# Altium PCB Main_PCB.PcbDoc (part 12 of 13)
Units mil, origin at the board's own origin, x right, y up, seen from the top; angles counter-clockwise.
Board outline 5200 x 6000 mil, 12 copper layers (Top (L1), Int1 (l2), Int2 (L3), Int3 (L4), Int4 (L5), Int5 (L6), Int6 (L7), Int7 (L8), Int8 (L9), Int9 (L10), Int10 (L11), Bot (L12)), stack 94.81 mil thick; 88 components, 424 nets, 1789 pads, 1684 vias.
Unrouted connection lines stored in the file: 914.
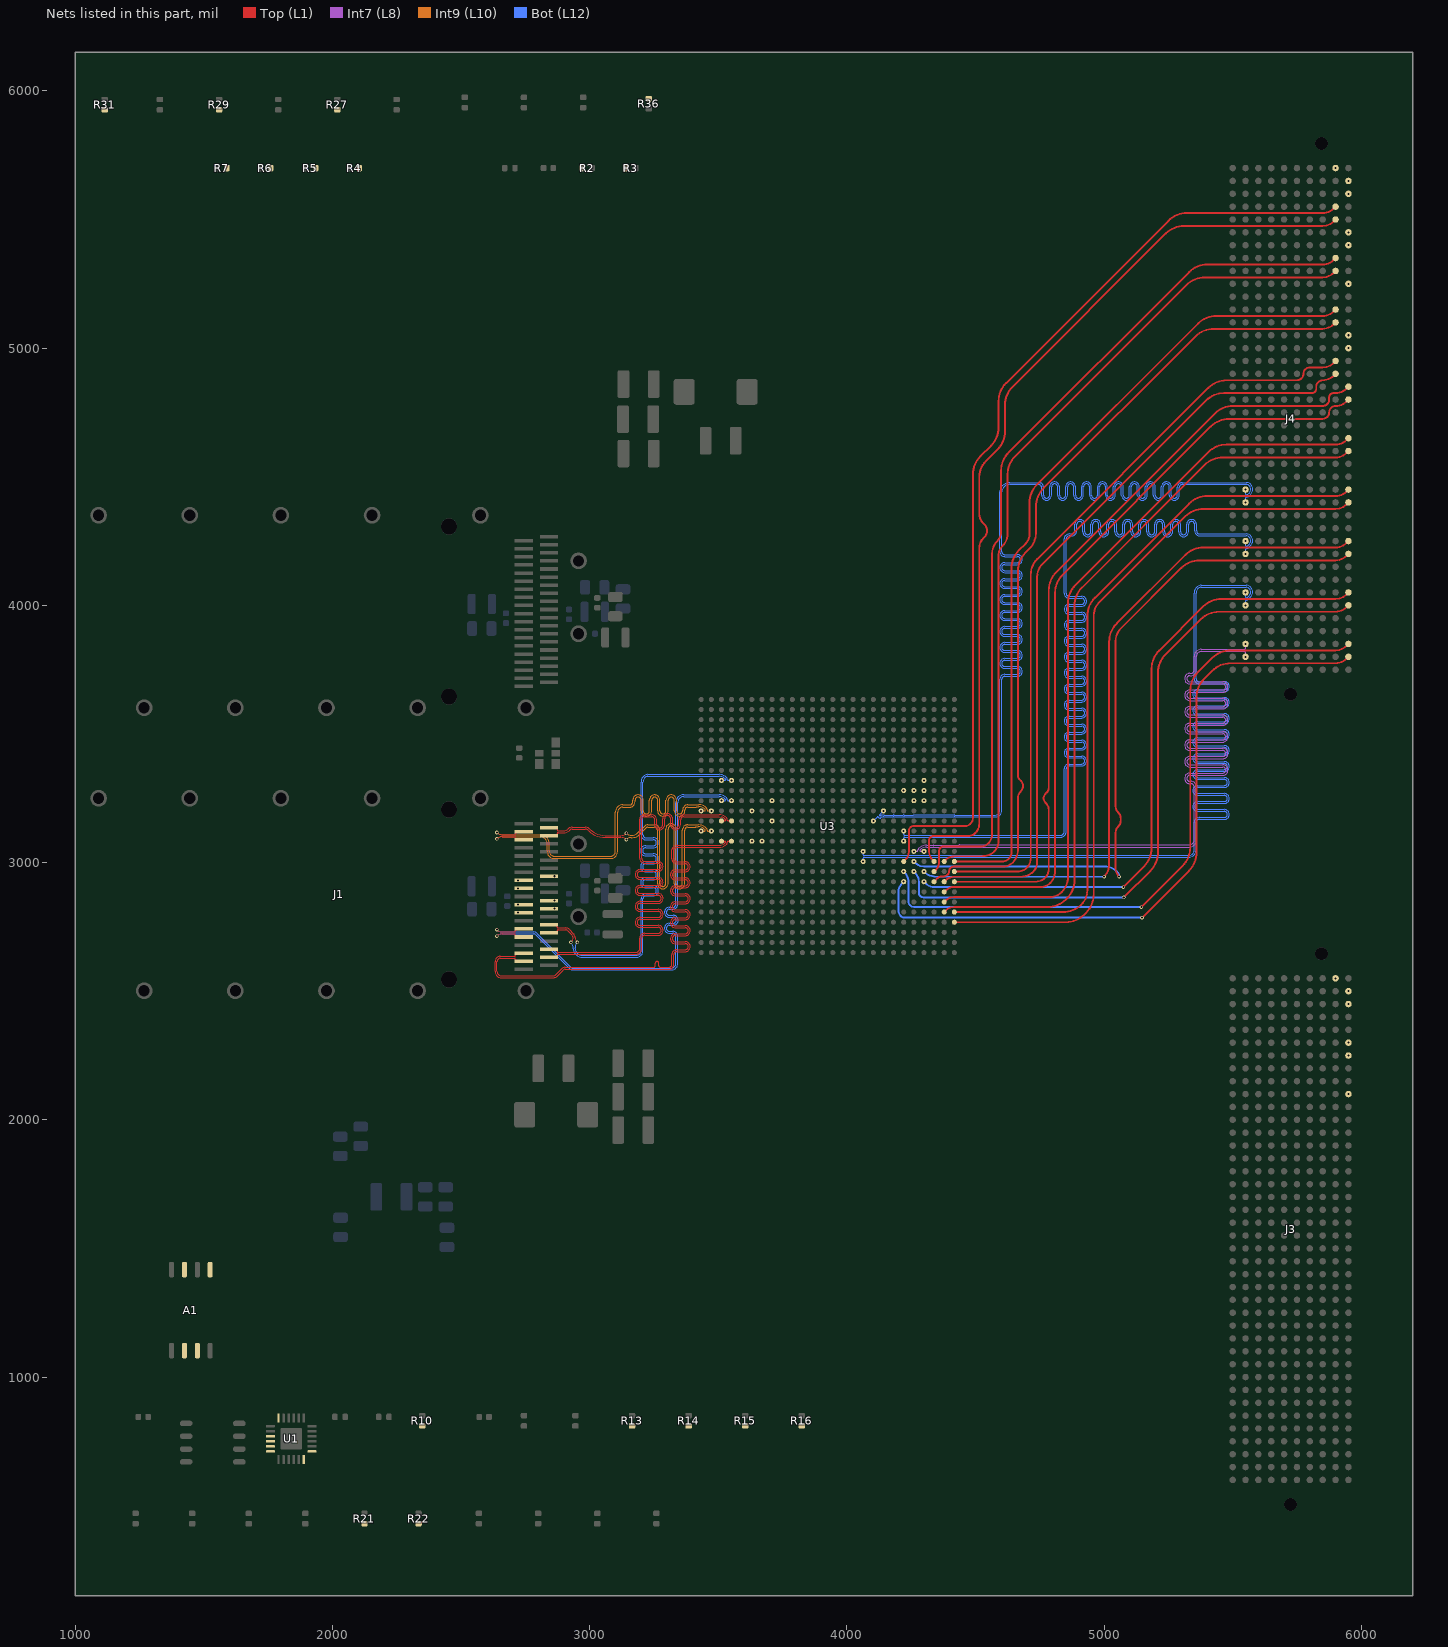
[diagram p22: the nets of this part, all layers, seen from the top]

## Via types
v1: diameter 13.78, hole 7.87, Top (L1) to Bot (L12), tented both sides, 1680 vias
v2: diameter 19.68, hole 7.87, Top (L1) to Bot (L12), tented both sides, 4 vias

## Nets (pads, with @x,y where several pads share a name; then routed paths per layer and width w, separated by ;. In a path a pad name is that pad's centre, name@x,y a point inside that pad or via, vN(x,y) a via of type N, cw(c..) or ccw(c..) an arc to the next point about the centre after c; other vN are vias at no path point) (continued)
HPCC_B_69_N: J4.J27 U3.M19 | length 4795.7
  Bot (L12) w3.5: v1(4142.52,3201.18) 4127.96,3186.62 ccw(c4130.44,3184.15) 4126.94,3184.15 ccw(c4130.18,3185.47) 4131.79,3182.37 cw(c4142.52,3161.81) 4144.6,3184.9 4144.67,3184.92 ccw(c4144.78,3188.42) 4144.77,3184.92 4147.85,3184.92 4179.87,3184.92 ccw(c4179.84,3188.42) 4180.09,3184.93 cw(c4181.89,3161.81) 4183.69,3184.93 ccw(c4183.94,3188.42) 4183.91,3184.92 4217,3184.92 4220.81,3184.99 cw(c4221.26,3161.81) 4223.04,3184.93 ccw(c4223.31,3188.42) 4223.31,3184.92 4258.61,3184.92 ccw(c4258.58,3188.42) 4258.83,3184.93 cw(c4260.63,3161.81) 4260.63,3185 4418.11,3185 cw(c4418.11,3161.81) 4419.88,3184.93 ccw(c4420.16,3188.42) 4420.13,3184.92 4577.73,3184.92 ccw(c4577.73,3202.27) 4590,3190 ccw(c4577.93,3202.07) 4595,3202.07 4595,3675.64 4595,3712.21 cw(c4614.3,3712.21) 4614.3,3731.51 4663.33,3731.51 ccw(c4663.33,3743.26) 4663.33,3755.01 4614.03,3755.01 cw(c4614.03,3774.31) 4614.03,3793.61 4663.33,3793.61 ccw(c4663.33,3805.36) 4663.33,3817.11 4614.03,3817.11 cw(c4614.03,3836.41) 4614.03,3855.71 4663.33,3855.71 ccw(c4663.33,3867.46) 4663.33,3879.21 4614.03,3879.21 cw(c4614.03,3898.51) 4614.03,3917.81 4663.33,3917.81 ccw(c4663.33,3929.56) 4663.33,3941.31 4614.03,3941.31 cw(c4614.03,3960.61) 4614.03,3979.91 4663.33,3979.91 ccw(c4663.33,3991.66) 4663.33,4003.41 4614.03,4003.41 cw(c4614.03,4022.71) 4614.03,4042.01 4663.33,4042.01 ccw(c4663.33,4053.76) 4663.33,4065.51 4614.03,4065.51 cw(c4614.03,4084.81) 4614.03,4104.11 4663.33,4104.11 ccw(c4663.33,4115.86) 4663.33,4127.61 4614.03,4127.61 cw(c4614.03,4146.91) 4614.03,4166.21 4663.33,4166.21 ccw(c4663.33,4177.96) 4663.33,4189.71 4614.3,4189.71 cw(c4614.3,4209.01) 4595,4209.01 4595,4235.08 4595,4442.01 cw(c4627.99,4442.01) 4604.66,4465.34 cw(c4634.14,4435.86) 4634.14,4477.55 4708.96,4477.55 4745.53,4477.55 cw(c4745.53,4458.25) 4764.83,4458.25 4764.83,4428.24 ccw(c4776.58,4428.24) 4788.33,4428.24 4788.33,4460.69 cw(c4807.63,4460.69) 4826.93,4460.69 4826.93,4428.24 ccw(c4838.68,4428.24) 4850.43,4428.24 4850.43,4460.69 cw(c4869.73,4460.69) 4889.03,4460.69 4889.03,4428.24 ccw(c4900.78,4428.24) 4912.53,4428.24 4912.53,4460.69 cw(c4931.83,4460.69) 4951.13,4460.69 4951.13,4428.24 ccw(c4962.88,4428.24) 4974.63,4428.24 4974.63,4460.69 cw(c4993.93,4460.69) 5013.23,4460.69 5013.23,4428.24 ccw(c5024.98,4428.24) 5036.73,4428.24 5036.73,4460.69 cw(c5056.03,4460.69) 5075.33,4460.69 5075.33,4428.24 ccw(c5087.08,4428.24) 5098.83,4428.24 5098.83,4460.69 cw(c5118.13,4460.69) 5137.43,4460.69 5137.43,4428.24 ccw(c5149.18,4428.24) 5160.93,4428.24 5160.93,4460.69 cw(c5180.23,4460.69) 5199.53,4460.69 5199.53,4428.24 ccw(c5211.28,4428.24) 5223.03,4428.24 5223.03,4460.69 cw(c5242.33,4460.69) 5261.63,4460.69 5261.63,4428.24 ccw(c5273.38,4428.24) 5285.13,4428.24 5285.13,4458.25 cw(c5304.43,4458.25) 5304.43,4477.55 5352.58,4477.55 5552.93,4477.55 cw(c5552.93,4452.93) 5570.34,4470.34 cw(c5552.93,4452.93) 5577.55,4452.93 5577.55,4450 cw(c5550.14,4450) 5569.52,4430.62 5564.81,4425.91 cw(c5553.5,4437.22) 5553.5,4421.22 ccw(c5553.5,4417.72) 5551.03,4420.2 ccw(c5553.5,4417.73) 5550,4417.73 v1(5550,4400)
HPCC_B_69_P: J4.J26 U3.N18 | length 4779.4
  Bot (L12) w3.5: v1(4103.15,3161.81) 4117.71,3176.37 cw(c4120.18,3173.89) 4120.18,3177.39 cw(c4120.18,3173.89) 4122.66,3176.37 ; 4122.69,3176.34 ccw(c4130.39,3184.04) 4130.39,3173.15 ccw(c4130.35,3176.65) 4132.58,3173.95 cw(c4142.52,3161.81) 4143.93,3177.43 4143.99,3177.43 ccw(c4144.6,3184.9) 4144.09,3177.42 ccw(c4144.6,3184.9) 4145.03,3177.42 4147.85,3177.42 4179.9,3177.42 ccw(c4179.84,3188.42) 4180.64,3177.45 cw(c4181.89,3161.81) 4183.12,3177.45 ccw(c4183.94,3188.42) 4183.88,3177.42 4217,3177.42 ccw(c4217,3184.92) 4217.13,3177.42 4220.95,3177.5 cw(c4221.26,3161.81) 4222.47,3177.45 ccw(c4223.31,3188.42) 4223.31,3177.42 4258.64,3177.42 ccw(c4258.58,3188.42) 4259.38,3177.45 cw(c4260.63,3161.81) 4260.63,3177.5 4418.11,3177.5 cw(c4418.11,3161.81) 4419.28,3177.45 ccw(c4420.16,3188.42) 4420.11,3177.42 4435,3177.42 4435.05,3177.37 4577.73,3177.37 ccw(c4577.73,3202.27) 4595.34,3184.66 ccw(c4577.93,3202.07) 4602.55,3202.07 4602.55,3675.64 4602.55,3712.21 cw(c4614.3,3712.21) 4614.3,3723.96 4663.33,3723.96 ccw(c4663.33,3743.26) 4663.33,3762.56 4614.03,3762.56 cw(c4614.03,3774.31) 4614.03,3786.06 4663.33,3786.06 ccw(c4663.33,3805.36) 4663.33,3824.66 4614.03,3824.66 cw(c4614.03,3836.41) 4614.03,3848.16 4663.33,3848.16 ccw(c4663.33,3867.46) 4663.33,3886.76 4614.03,3886.76 cw(c4614.03,3898.51) 4614.03,3910.26 4663.33,3910.26 ccw(c4663.33,3929.56) 4663.33,3948.86 4614.03,3948.86 cw(c4614.03,3960.61) 4614.03,3972.36 4663.33,3972.36 ccw(c4663.33,3991.66) 4663.33,4010.96 4614.03,4010.96 cw(c4614.03,4022.71) 4614.03,4034.46 4663.33,4034.46 ccw(c4663.33,4053.76) 4663.33,4073.06 4614.03,4073.06 cw(c4614.03,4084.81) 4614.03,4096.56 4663.33,4096.56 ccw(c4663.33,4115.86) 4663.33,4135.16 4614.03,4135.16 cw(c4614.03,4146.91) 4614.03,4158.66 4663.33,4158.66 ccw(c4663.33,4177.96) 4663.33,4197.26 4614.3,4197.26 cw(c4614.3,4209.01) 4602.55,4209.01 4602.55,4235.08 4602.55,4442.01 cw(c4627.99,4442.01) 4610,4460 cw(c4634.14,4435.86) 4634.14,4470 4708.96,4470 4745.53,4470 cw(c4745.53,4458.25) 4757.28,4458.25 4757.28,4428.24 ccw(c4776.58,4428.24) 4795.88,4428.24 4795.88,4460.69 cw(c4807.63,4460.69) 4819.38,4460.69 4819.38,4428.24 ccw(c4838.68,4428.24) 4857.98,4428.24 4857.98,4460.69 cw(c4869.73,4460.69) 4881.48,4460.69 4881.48,4428.24 ccw(c4900.78,4428.24) 4920.08,4428.24 4920.08,4460.69 cw(c4931.83,4460.69) 4943.58,4460.69 4943.58,4428.24 ccw(c4962.88,4428.24) 4982.18,4428.24 4982.18,4460.69 cw(c4993.93,4460.69) 5005.68,4460.69 5005.68,4428.24 ccw(c5024.98,4428.24) 5044.28,4428.24 5044.28,4460.69 cw(c5056.03,4460.69) 5067.78,4460.69 5067.78,4428.24 ccw(c5087.08,4428.24) 5106.38,4428.24 5106.38,4460.69 cw(c5118.13,4460.69) 5129.88,4460.69 5129.88,4428.24 ccw(c5149.18,4428.24) 5168.48,4428.24 5168.48,4460.69 cw(c5180.23,4460.69) 5191.98,4460.69 5191.98,4428.24 ccw(c5211.28,4428.24) 5230.58,4428.24 5230.58,4460.69 cw(c5242.33,4460.69) 5254.08,4460.69 5254.08,4428.24 ccw(c5273.38,4428.24) 5292.68,4428.24 5292.68,4458.25 cw(c5304.43,4458.25) 5304.43,4470 5352.58,4470 5552.93,4470 cw(c5552.93,4452.93) 5565,4465 cw(c5552.93,4452.93) 5570,4452.93 5570,4450 cw(c5550.14,4450) 5564.18,4435.96 5559.49,4431.27 cw(c5557.02,4433.74) 5558.36,4430.51 5554.85,4429.04 cw(c5553.5,4432.27) 5553.5,4428.78 cw(c5553.5,4432.28) 5551.03,4429.8 cw(c5553.5,4432.27) 5550,4432.27 v1(5550,4450)
HPCC_B_70_N: J4.J31 U3.P21 | length 4801.2
  Bot (L12) w3.5: v1(4221.26,3122.44) 4221.26,3110.01 ccw(c4224.76,3110.01) 4222.28,3107.53 ccw(c4224.76,3110.01) 4224.76,3106.51 4831.56,3106.51 ccw(c4831.56,3118.44) 4840,3110 4841.46,3111.46 ccw(c4832.93,3120) 4845,3120 4845,3327.29 4845,3363.86 cw(c4864.3,3363.86) 4864.3,3383.16 4913.02,3383.16 ccw(c4913.02,3394.91) 4913.02,3406.66 4864.04,3406.66 cw(c4864.04,3425.96) 4864.04,3445.26 4913.02,3445.26 ccw(c4913.02,3457.01) 4913.02,3468.76 4864.04,3468.76 cw(c4864.04,3488.06) 4864.04,3507.36 4913.02,3507.36 ccw(c4913.02,3519.11) 4913.02,3530.86 4864.04,3530.86 cw(c4864.04,3550.16) 4864.04,3569.46 4913.02,3569.46 ccw(c4913.02,3581.21) 4913.02,3592.96 4864.04,3592.96 cw(c4864.04,3612.26) 4864.04,3631.56 4913.02,3631.56 ccw(c4913.02,3643.31) 4913.02,3655.06 4864.04,3655.06 cw(c4864.04,3674.36) 4864.04,3693.66 4913.02,3693.66 ccw(c4913.02,3705.41) 4913.02,3717.16 4864.04,3717.16 cw(c4864.04,3736.46) 4864.04,3755.76 4913.02,3755.76 ccw(c4913.02,3767.51) 4913.02,3779.26 4864.04,3779.26 cw(c4864.04,3798.56) 4864.04,3817.86 4913.02,3817.86 ccw(c4913.02,3829.61) 4913.02,3841.36 4864.04,3841.36 cw(c4864.04,3860.66) 4864.04,3879.96 4913.02,3879.96 ccw(c4913.02,3891.71) 4913.02,3903.46 4864.04,3903.46 cw(c4864.04,3922.76) 4864.04,3942.06 4913.02,3942.06 ccw(c4913.02,3953.81) 4913.02,3965.56 4864.04,3965.56 cw(c4864.04,3984.86) 4864.04,4004.16 4913.02,4004.16 ccw(c4913.02,4015.91) 4913.02,4027.66 4864.3,4027.66 cw(c4864.3,4046.96) 4845,4046.96 4845,4081.47 4845,4259.09 cw(c4860.91,4259.09) 4849.66,4270.34 cw(c4867.07,4252.93) 4867.07,4277.55 4869,4277.55 4874.53,4277.55 ccw(c4874.53,4289.3) 4886.28,4289.3 4886.28,4314.35 cw(c4905.58,4314.35) 4924.88,4314.35 4924.88,4286.27 ccw(c4936.63,4286.27) 4948.38,4286.27 4948.38,4314.35 cw(c4967.68,4314.35) 4986.98,4314.35 4986.98,4286.27 ccw(c4998.73,4286.27) 5010.48,4286.27 5010.48,4314.35 cw(c5029.78,4314.35) 5049.08,4314.35 5049.08,4286.27 ccw(c5060.83,4286.27) 5072.58,4286.27 5072.58,4314.35 cw(c5091.88,4314.35) 5111.18,4314.35 5111.18,4286.27 ccw(c5122.93,4286.27) 5134.68,4286.27 5134.68,4314.35 cw(c5153.98,4314.35) 5173.28,4314.35 5173.28,4286.27 ccw(c5185.03,4286.27) 5196.78,4286.27 5196.78,4314.35 cw(c5216.08,4314.35) 5235.38,4314.35 5235.38,4286.27 ccw(c5247.13,4286.27) 5258.88,4286.27 5258.88,4314.35 cw(c5278.18,4314.35) 5297.48,4314.35 5297.48,4286.27 ccw(c5309.23,4286.27) 5320.98,4286.27 5320.98,4314.35 cw(c5340.28,4314.35) 5359.58,4314.35 5359.58,4289.3 ccw(c5371.33,4289.3) 5371.33,4277.55 5398.85,4277.55 5552.93,4277.55 cw(c5552.93,4252.93) 5570.34,4270.34 cw(c5552.93,4252.93) 5577.55,4252.93 5577.55,4250 cw(c5553.41,4250) 5570.48,4232.93 5562.47,4224.92 cw(c5557.17,4230.29) 5561.46,4224.08 cw(c5553.5,4233.96) 5554.63,4221.33 5553.5,4221.23 ccw(c5553.5,4217.72) 5551.03,4220.2 ccw(c5553.5,4217.73) 5550,4217.73 v1(5550,4200)
HPCC_B_70_P: J4.J30 U3.R21 | length 4777.5
  Bot (L12) w3.5: v1(4221.26,3083.07) 4221.26,3095.51 cw(c4224.76,3095.51) 4222.28,3097.98 cw(c4224.76,3095.51) 4224.76,3099.01 4435,3099.01 4435.05,3098.96 4831.56,3098.96 ccw(c4831.56,3118.44) 4845.34,3104.66 4846.8,3106.13 ccw(c4832.93,3120) 4852.55,3120 4852.55,3327.29 4852.55,3363.86 cw(c4864.3,3363.86) 4864.3,3375.61 4913.02,3375.61 ccw(c4913.02,3394.91) 4913.02,3414.21 4864.04,3414.21 cw(c4864.04,3425.96) 4864.04,3437.71 4913.02,3437.71 ccw(c4913.02,3457.01) 4913.02,3476.31 4864.04,3476.31 cw(c4864.04,3488.06) 4864.04,3499.81 4913.02,3499.81 ccw(c4913.02,3519.11) 4913.02,3538.41 4864.04,3538.41 cw(c4864.04,3550.16) 4864.04,3561.91 4913.02,3561.91 ccw(c4913.02,3581.21) 4913.02,3600.51 4864.04,3600.51 cw(c4864.04,3612.26) 4864.04,3624.01 4913.02,3624.01 ccw(c4913.02,3643.31) 4913.02,3662.61 4864.04,3662.61 cw(c4864.04,3674.36) 4864.04,3686.11 4913.02,3686.11 ccw(c4913.02,3705.41) 4913.02,3724.71 4864.04,3724.71 cw(c4864.04,3736.46) 4864.04,3748.21 4913.02,3748.21 ccw(c4913.02,3767.51) 4913.02,3786.81 4864.04,3786.81 cw(c4864.04,3798.56) 4864.04,3810.31 4913.02,3810.31 ccw(c4913.02,3829.61) 4913.02,3848.91 4864.04,3848.91 cw(c4864.04,3860.66) 4864.04,3872.41 4913.02,3872.41 ccw(c4913.02,3891.71) 4913.02,3911.01 4864.04,3911.01 cw(c4864.04,3922.76) 4864.04,3934.51 4913.02,3934.51 ccw(c4913.02,3953.81) 4913.02,3973.11 4864.04,3973.11 cw(c4864.04,3984.86) 4864.04,3996.61 4913.02,3996.61 ccw(c4913.02,4015.91) 4913.02,4035.21 4864.3,4035.21 cw(c4864.3,4046.96) 4852.55,4046.96 4852.55,4081.47 4852.55,4259.09 cw(c4860.91,4259.09) 4855,4265 cw(c4867.07,4252.93) 4867.07,4270 4869,4270 4874.53,4270 ccw(c4874.53,4289.3) 4893.83,4289.3 4893.83,4314.35 cw(c4905.58,4314.35) 4917.33,4314.35 4917.33,4286.27 ccw(c4936.63,4286.27) 4955.93,4286.27 4955.93,4314.35 cw(c4967.68,4314.35) 4979.43,4314.35 4979.43,4286.27 ccw(c4998.73,4286.27) 5018.03,4286.27 5018.03,4314.35 cw(c5029.78,4314.35) 5041.53,4314.35 5041.53,4286.27 ccw(c5060.83,4286.27) 5080.13,4286.27 5080.13,4314.35 cw(c5091.88,4314.35) 5103.63,4314.35 5103.63,4286.27 ccw(c5122.93,4286.27) 5142.23,4286.27 5142.23,4314.35 cw(c5153.98,4314.35) 5165.73,4314.35 5165.73,4286.27 ccw(c5185.03,4286.27) 5204.33,4286.27 5204.33,4314.35 cw(c5216.08,4314.35) 5227.83,4314.35 5227.83,4286.27 ccw(c5247.13,4286.27) 5266.43,4286.27 5266.43,4314.35 cw(c5278.18,4314.35) 5289.93,4314.35 5289.93,4286.27 ccw(c5309.23,4286.27) 5328.53,4286.27 5328.53,4314.35 cw(c5340.28,4314.35) 5352.03,4314.35 5352.03,4289.3 ccw(c5371.33,4289.3) 5371.33,4270 5398.85,4270 5552.93,4270 cw(c5552.93,4252.93) 5565,4265 cw(c5552.93,4252.93) 5570,4252.93 5570,4250 cw(c5553.41,4250) 5565.14,4238.27 5557.17,4230.29 cw(c5553.5,4233.96) 5553.5,4228.77 cw(c5553.5,4232.28) 5551.03,4229.8 cw(c5553.5,4232.27) 5550,4232.27 v1(5550,4250)
HPCC_B_71_N: J4.J35 U3.T17 | length 4810.8
  Bot (L12) w3.5: v1(4063.78,3043.7) 4063.78,3031.27 ccw(c4067.28,3031.27) 4064.8,3028.79 ccw(c4067.28,3031.27) 4067.28,3027.77 5327.54,3027.77 ccw(c5327.54,3052.46) 5345,3035 ccw(c5332.93,3047.07) 5350,3047.07 5350,3119.57 5350,3156.14 cw(c5369.3,3156.14) 5369.3,3175.44 5467.96,3175.44 ccw(c5467.96,3187.19) 5467.96,3198.94 5364.37,3198.94 cw(c5364.37,3218.24) 5364.37,3237.54 5467.96,3237.54 ccw(c5467.96,3249.29) 5467.96,3261.04 5364.37,3261.04 cw(c5364.37,3280.34) 5364.37,3299.64 5467.96,3299.64 ccw(c5467.96,3311.39) 5467.96,3323.14 5364.37,3323.14 cw(c5364.37,3342.44) 5364.37,3361.74 5467.96,3361.74 ccw(c5467.96,3373.49) 5467.96,3385.24 5364.37,3385.24 cw(c5364.37,3404.54) 5364.37,3423.84 5467.96,3423.84 ccw(c5467.96,3435.59) 5467.96,3447.34 5364.37,3447.34 cw(c5364.37,3466.64) 5364.37,3485.94 5467.96,3485.94 ccw(c5467.96,3497.69) 5467.96,3509.44 5364.37,3509.44 cw(c5364.37,3528.74) 5364.37,3548.04 5467.96,3548.04 ccw(c5467.96,3559.79) 5467.96,3571.54 5364.37,3571.54 cw(c5364.37,3590.84) 5364.37,3610.14 5467.96,3610.14 ccw(c5467.96,3621.89) 5467.96,3633.64 5364.37,3633.64 cw(c5364.37,3652.94) 5364.37,3672.24 5467.96,3672.24 ccw(c5467.96,3683.99) 5467.96,3695.74 5369.3,3695.74 cw(c5369.3,3715.04) 5350,3715.04 5350,3751.67 5350,4047.01 cw(c5382.99,4047.01) 5359.66,4070.34 cw(c5377.07,4052.93) 5377.07,4077.55 5552.93,4077.55 cw(c5552.93,4052.93) 5570.34,4070.34 cw(c5552.93,4052.93) 5577.55,4052.93 5577.55,4050 cw(c5553.41,4050) 5570.48,4032.93 5562.47,4024.92 cw(c5557.17,4030.29) 5561.46,4024.08 cw(c5553.5,4033.96) 5554.63,4021.33 5553.5,4021.22 ccw(c5553.5,4017.72) 5551.03,4020.2 ccw(c5553.5,4017.72) 5550,4017.72 v1(5550,4000)
HPCC_B_71_P: J4.J34 U3.U17 | length 4787.1
  Bot (L12) w3.5: v1(4063.78,3004.33) 4063.78,3016.77 cw(c4067.28,3016.77) 4064.8,3019.24 cw(c4067.28,3016.77) 4067.28,3020.27 4435,3020.27 4435.05,3020.22 5327.54,3020.22 ccw(c5327.54,3052.46) 5350.34,3029.66 ccw(c5332.93,3047.07) 5357.55,3047.07 5357.55,3119.57 5357.55,3156.14 cw(c5369.3,3156.14) 5369.3,3167.89 5467.96,3167.89 ccw(c5467.96,3187.19) 5467.96,3206.49 5364.37,3206.49 cw(c5364.37,3218.24) 5364.37,3229.99 5467.96,3229.99 ccw(c5467.96,3249.29) 5467.96,3268.59 5364.37,3268.59 cw(c5364.37,3280.34) 5364.37,3292.09 5467.96,3292.09 ccw(c5467.96,3311.39) 5467.96,3330.69 5364.37,3330.69 cw(c5364.37,3342.44) 5364.37,3354.19 5467.96,3354.19 ccw(c5467.96,3373.49) 5467.96,3392.79 5364.37,3392.79 cw(c5364.37,3404.54) 5364.37,3416.29 5467.96,3416.29 ccw(c5467.96,3435.59) 5467.96,3454.89 5364.37,3454.89 cw(c5364.37,3466.64) 5364.37,3478.39 5467.96,3478.39 ccw(c5467.96,3497.69) 5467.96,3516.99 5364.37,3516.99 cw(c5364.37,3528.74) 5364.37,3540.49 5467.96,3540.49 ccw(c5467.96,3559.79) 5467.96,3579.09 5364.37,3579.09 cw(c5364.37,3590.84) 5364.37,3602.59 5467.96,3602.59 ccw(c5467.96,3621.89) 5467.96,3641.19 5364.37,3641.19 cw(c5364.37,3652.94) 5364.37,3664.69 5467.96,3664.69 ccw(c5467.96,3683.99) 5467.96,3703.29 5369.3,3703.29 cw(c5369.3,3715.04) 5357.55,3715.04 5357.55,3751.67 5357.55,4047.01 cw(c5382.99,4047.01) 5365,4065 cw(c5377.07,4052.93) 5377.07,4070 5552.93,4070 cw(c5552.93,4052.93) 5565,4065 cw(c5552.93,4052.93) 5570,4052.93 5570,4050 cw(c5553.41,4050) 5565.14,4038.27 5557.17,4030.29 cw(c5553.5,4033.96) 5553.5,4028.78 cw(c5553.5,4032.28) 5551.03,4029.8 cw(c5553.5,4032.28) 5550,4032.28 v1(5550,4050)
HPCC_B_72_N: J4.J39 U3.T23 | length 3845
  Int7 (L8) w3.5: v1(4300,3043.7) 4287.56,3043.7 cw(c4287.56,3047.2) 4285.09,3044.73 cw(c4287.56,3047.2) 4284.07,3047.2 cw(c4287.56,3047.2) 4285.09,3049.68 cw(c4310.02,3024.75) 4310.02,3060 4336.91,3060 cw(c4336.88,3056.5) 4337.19,3059.99 ccw(c4339.37,3083.07) 4339.37,3059.88 4418.11,3059.88 ccw(c4418.11,3083.07) 4420.3,3059.99 cw(c4420.6,3056.5) 4420.57,3060 5330.03,3060 ccw(c5330.03,3089.97) 5351.22,3068.78 5352.69,3070.24 ccw(c5337.93,3085) 5358.8,3085 5358.8,3289 5358.8,3295.15 ccw(c5338.25,3295.15) 5338.25,3315.7 5333.63,3315.7 cw(c5333.63,3327.45) 5333.63,3339.2 5461.13,3339.2 ccw(c5461.13,3359.75) 5461.13,3380.3 5333.63,3380.3 cw(c5333.63,3392.05) 5333.63,3403.8 5461.13,3403.8 ccw(c5461.13,3424.35) 5461.13,3444.9 5333.63,3444.9 cw(c5333.63,3456.65) 5333.63,3468.4 5461.13,3468.4 ccw(c5461.13,3488.95) 5461.13,3509.5 5333.63,3509.5 cw(c5333.63,3521.25) 5333.63,3533 5461.13,3533 ccw(c5461.13,3553.55) 5461.13,3574.1 5333.63,3574.1 cw(c5333.63,3585.85) 5333.63,3597.6 5461.13,3597.6 ccw(c5461.13,3618.15) 5461.13,3638.7 5333.63,3638.7 cw(c5333.63,3650.45) 5333.63,3662.2 5461.13,3662.2 ccw(c5461.13,3682.75) 5461.13,3703.3 5333.63,3703.3 cw(c5333.63,3715.05) 5333.63,3726.8 5338.25,3726.8 ccw(c5338.25,3747.35) 5358.8,3747.35 5358.8,3794 5358.8,3800.03 cw(c5379.97,3800.03) 5365,3815 cw(c5378.52,3801.48) 5378.52,3820.6 5546.5,3820.6 cw(c5546.5,3817.1) 5548.97,3819.57 cw(c5546.5,3817.1) 5550,3817.1 v1(5550,3800)
HPCC_B_72_P: J4.J38 U3.T22 | length 3857.2
  Int7 (L8) w3.5: v1(4260.63,3043.7) 4273.06,3043.7 ccw(c4273.06,3047.2) 4275.54,3044.73 ccw(c4273.06,3047.2) 4276.56,3047.2 ; 4276.57,3047.24 cw(c4287.47,3047.24) 4279.76,3054.95 4279.84,3055.04 cw(c4309.94,3024.94) 4309.94,3067.5 cw(c4309.99,3060) 4310.02,3067.5 4336.92,3067.5 ; 4336.93,3067.5 cw(c4336.88,3056.5) 4337.88,3067.45 ccw(c4339.37,3083.07) 4339.37,3067.38 4418.11,3067.38 ccw(c4418.11,3083.07) 4419.6,3067.45 cw(c4420.6,3056.5) 4420.55,3067.5 4435,3067.5 cw(c4438.14,3064.36) 4438.14,3068.8 5330.03,3068.8 ccw(c5330.03,3089.97) 5345,3075 5346.46,3076.46 ccw(c5337.93,3085) 5350,3085 5350,3289 5350,3295.15 ccw(c5338.25,3295.15) 5338.25,3306.9 5333.63,3306.9 cw(c5333.63,3327.45) 5333.63,3348 5461.13,3348 ccw(c5461.13,3359.75) 5461.13,3371.5 5333.63,3371.5 cw(c5333.63,3392.05) 5333.63,3412.6 5461.13,3412.6 ccw(c5461.13,3424.35) 5461.13,3436.1 5333.63,3436.1 cw(c5333.63,3456.65) 5333.63,3477.2 5461.13,3477.2 ccw(c5461.13,3488.95) 5461.13,3500.7 5333.63,3500.7 cw(c5333.63,3521.25) 5333.63,3541.8 5461.13,3541.8 ccw(c5461.13,3553.55) 5461.13,3565.3 5333.63,3565.3 cw(c5333.63,3585.85) 5333.63,3606.4 5461.13,3606.4 ccw(c5461.13,3618.15) 5461.13,3629.9 5333.63,3629.9 cw(c5333.63,3650.45) 5333.63,3671 5461.13,3671 ccw(c5461.13,3682.75) 5461.13,3694.5 5333.63,3694.5 cw(c5333.63,3715.05) 5333.63,3735.6 5338.25,3735.6 ccw(c5338.25,3747.35) 5350,3747.35 5350,3794 5350,3800.03 cw(c5379.97,3800.03) 5358.78,3821.22 cw(c5378.52,3801.48) 5378.52,3829.4 5546.5,3829.4 ccw(c5546.5,3832.9) 5548.97,3830.43 ccw(c5546.5,3832.9) 5550,3832.9 v1(5550,3850)
HPCC_B_GP01: J4.A18 U3.W26 | length 3007.3
  Top (L1) w7.36: U3.W26@4418.11,2925.59 4733.14,2925.59 ccw(c4733.14,2979.79) 4771.46,2941.46 ccw(c4738.79,2974.14) 4785,2974.14 4785,3205.86 ccw(c4750.86,3205.86) 4775,3230 4772.07,3232.93 cw(c4789.14,3250) 4765,3250 cw(c4789.14,3250) 4772.07,3267.07 4777.93,3272.93 ccw(c4760.86,3290) 4785,3290 4785,4058.58 cw(c4885,4058.58) 4814.29,4129.29 5430.71,4745.71 cw(c5501.42,4675) 5501.42,4775 5850,4775 ccw(c5850,4799.14) 5867.07,4782.07 5867.93,4782.93 ccw(c5850.86,4800) 5875,4800 5875,4807.93 cw(c5892.07,4807.93) 5880,4820 cw(c5892.07,4807.93) 5892.07,4825 5900,4825 ccw(c5900,4885.36) 5942.68,4842.68 J4.A18@5950,4850
HPCC_B_GP02: J4.A19 U3.Y25 | length 3026.8
  Top (L1) w7.36: U3.Y25@4378.74,2886.22 4383.74,2891.23 cw(c4417,2857.97) 4417,2905 4753.79,2905 ccw(c4753.79,2956.21) 4790,2920 ccw(c4741.72,2968.28) 4810,2968.28 4810,4048.58 cw(c4910,4048.58) 4839.29,4119.29 5415.71,4695.71 cw(c5486.42,4625) 5486.42,4725 5850,4725 ccw(c5850,4749.14) 5867.07,4732.07 5867.93,4732.93 ccw(c5850.86,4750) 5875,4750 cw(c5899.14,4750) 5882.07,4767.07 5882.93,4767.93 cw(c5900,4750.86) 5900,4775 ccw(c5900,4835.36) 5942.68,4792.68 J4.A19@5950,4800
HPCC_B_GP03: J4.A22 U3.AA25 | length 2966.3
  Top (L1) w7.36: U3.AA25@4378.74,2846.85 4384.38,2852.49 cw(c4417,2819.86) 4417,2866 4789.13,2866 ccw(c4789.13,2930.87) 4835,2885 ccw(c4774.64,2945.36) 4860,2945.36 4860,4008.58 cw(c4960,4008.58) 4889.29,4079.29 5405.71,4595.71 cw(c5476.42,4525) 5476.42,4625 5900,4625 ccw(c5900,4685.36) 5942.68,4642.68 J4.A22@5950,4650
HPCC_B_GP04: J4.A23 U3.AB25 | length 2965.7
  Top (L1) w7.36: U3.AB25@4378.74,2807.48 4385.72,2814.46 cw(c4416,2784.17) 4416,2827 4780.58,2827 ccw(c4780.58,2927) 4851.29,2856.29 4855.71,2860.71 ccw(c4785,2931.42) 4885,2931.42 4885,3998.58 cw(c4985,3998.58) 4914.29,4069.29 5390.71,4545.71 cw(c5461.42,4475) 5461.42,4575 5900,4575 ccw(c5900,4635.36) 5942.68,4592.68 J4.A23@5950,4600
HPCC_B_GP05: J4.A26 U3.AB26 | length 2860.1
  Top (L1) w7.36: U3.AB26@4418.11,2807.48 4841.06,2807.48 ccw(c4841.06,2907.48) 4911.77,2836.77 ccw(c4855.69,2892.85) 4935,2892.85 4935,3958.58 cw(c5035,3958.58) 4964.29,4029.29 ; 4965,4030 5330.71,4395.71 cw(c5401.42,4325) 5401.42,4425 5900,4425 ccw(c5900,4485.36) 5942.68,4442.68 J4.A26@5950,4450
HPCC_B_GP06: J4.A27 U3.AC26 | length 2866
  Top (L1) w7.36: U3.AC26@4418.11,2768.11 4851.69,2768.11 ccw(c4851.69,2868.11) 4922.4,2797.4 4930.71,2805.71 ccw(c4860,2876.42) 4960,2876.42 4960,3961.72 cw(c5028.28,3961.72) 4980,4010 5315.71,4345.71 cw(c5386.42,4275) 5386.42,4375 5900,4375 ccw(c5900,4435.36) 5942.68,4392.68 J4.A27@5950,4400